# Altium PCB STM32F407VG.PcbDoc (part 2 of 2)
Units mil, origin at the board's own origin, x right, y up, seen from the top; angles counter-clockwise.
Board outline 2190 x 1496.06 mil, 4 copper layers (Top Layer, GND, PWR, Bottom Layer), stack 23.756 mil thick; 128 components, 112 nets, 488 pads, 364 vias.
Unrouted connection lines stored in the file: 106.
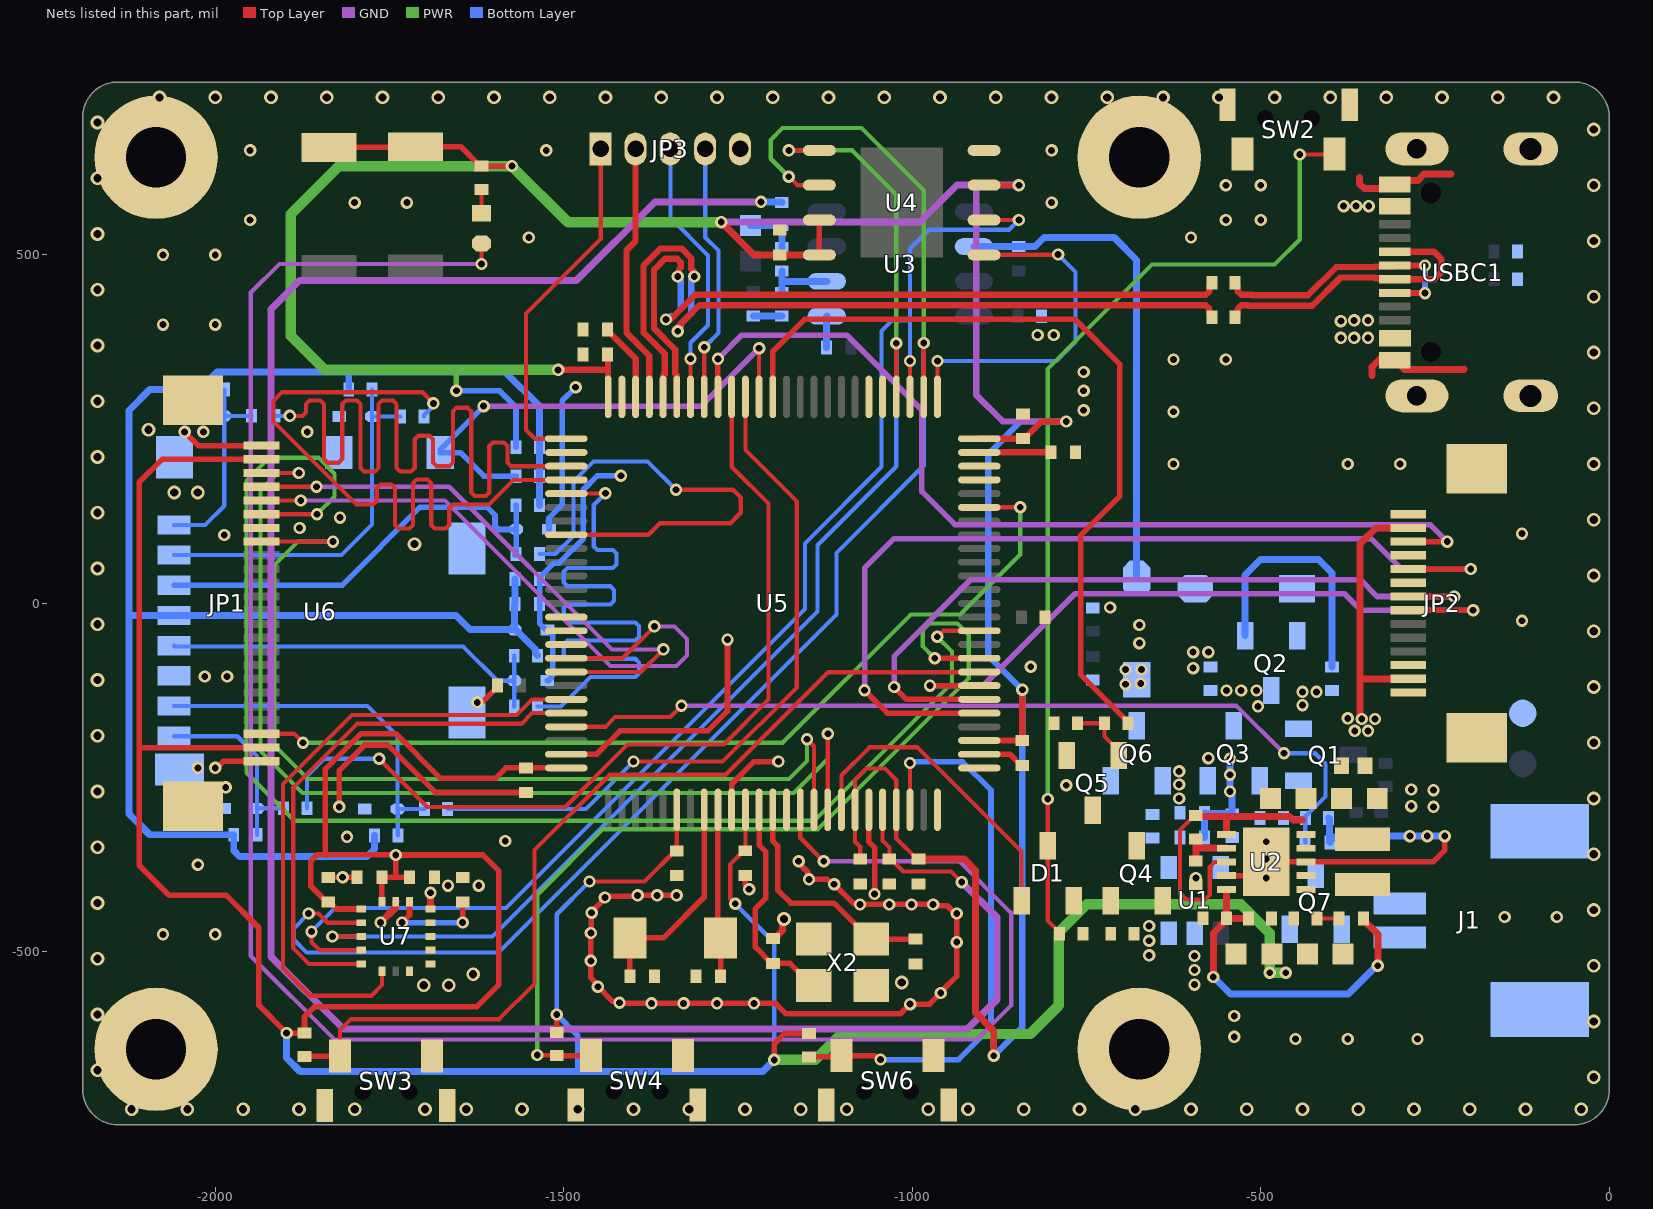
[diagram p4: the nets of this part, all layers, seen from the top]

## Via types
v1: diameter 17.72, hole 9.84, Top Layer to Bottom Layer, tented both sides, 266 vias
v2: diameter 19.68, hole 11.81, Top Layer to Bottom Layer, tented both sides, 98 vias

## Nets (pads, with @x,y where several pads share a name; then routed paths per layer and width w, separated by ;. In a path a pad name is that pad's centre, name@x,y a point inside that pad or via, vN(x,y) a via of type N, cw(c..) or ccw(c..) an arc to the next point about the centre after c; other vN are vias at no path point) (continued)
GND: C1.2 C2.2 C3.1 C4.1 C6.1 C7.1 C12.1 C13.1 C14.1 C15.1 C16.1 C17.1 C18.1 C19.1 C20.1 C21.1 C22.1 C23.1 C24.2 C25.2 C26.2 C27.2 C28.1 C29.1 C30.2 C31.2 C32.1 C33.1 C34.1 C35.1 J1.2 J1.3 J1.4 JP1.0 JP1.1 JP1.18 JP1.24 JP2.0 JP2.1 JP2.4 JP2.6 JP2.12 JP2.14 JP3.5 M1.1 M2.1 M3.1 M4.1 Q3.2 Q5.2 Q7.1 R1.1 R2.1 R3.1 R7.2 R11.2 R12.2 R19.1 R20.1 R21.2 R22.1 R27.1 R43.1 R44.1 R46.1 SW2.0@-372.4,715.43 SW2.0@-547.6,715.43 SW2.1 SW3.0@-1667.4,-720.43 SW3.0@-1842.6,-720.43 SW3.1 SW4.0@-1307.4,-719.68 SW4.0@-1482.6,-719.68 SW4.1 SW6.0@-947.82,-719.77 SW6.0@-1123.02,-719.77 SW6.1 TP2.1 U1.2 U2.3 U2.9 U2.11 U4.4 U5.10 U5.20 U5.27 U5.74 U5.99 U6.6 U6.9 U6.10 U6.11 U6.13 U6.14 U7.8 U7.9 U7.10 U7.11 U7.12 U7.13 U7.15 USBC1.0 USBC1.A1 USBC1.A12 USBC1.B1 USBC1.B12 VR1.2 VR2.1 VR3.1 VR4.1 VR5.1 VR6.1 VR7.1 VR8.1 X2.2 X2.4 | length 4197.5
  Top Layer w8: v1(-2044,246) -2024.38,226.38 JP1.24@-1933.69,226.38 JP1.24@-1934.4,227.09 ; v1(-2000,-236) -1997.37,-236 -1987.75,-226.38 JP1.1@-1933.69,-226.38 ; C31.2@-1838,-393 C29.1@-1796.43,-393 ; v1(-1822,-292) -1822,-239.65 -1785.55,-203.2 -1752.43,-203.2 -1684.2,-271.43 C20.1@-1554,-271.43 ; v1(-1624,-142) -1622.14,-140.14 -1615.34,-140.14 -1595.18,-119.98 R27.1@-1595.18,-118.01 ; U5.99@-1496.26,-216.54 -1452.75,-216.54 -1419.24,-183.03 -1293.47,-183.03 -1265,-154.56 v1(-1265,-52) ; v1(-1338,-419) v1(-1366,-419) v1(-1394,-419) -1395.5,-420.5 -1439.5,-420.5 v1(-1441,-422) -1441,-423.5 -1460,-442.5 v1(-1460,-444) -1460.5,-444.5 -1460.5,-472.5 v1(-1461,-473) v1(-1461,-513) -1461,-537.37 -1451,-547.37 v1(-1451,-550) -1429.86,-571.14 -1421.86,-571.14 v1(-1420,-573) -1419.5,-573.5 -1374.5,-573.5 v1(-1374,-574) v1(-1328,-574) v1(-1280,-574) v1(-1227,-574) -1196.19,-574 -1181.07,-589.12 -1017.12,-589.12 v1(-1003,-575) -975,-575 v1(-959,-559) -959,-557.78 -936,-534.78 v1(-936,-486) v1(-936,-445) ; U5.10@-1259.06,-296.26 -1258.7,-295.91 -1258.7,-258.83 -1226.87,-227 v1(-1192,-227) ; C17.1@-1239.76,-390.4 -1239.76,-404.43 v1(-1234,-410.18) ; v1(-1163,-370) -1163,-372.63 -1149.86,-385.77 -1149.86,-394.14 v1(-1148,-396) -1121.63,-396 -1114.63,-403 v1(-1112,-403) -1084.86,-430.14 -1076.86,-430.14 v1(-1075,-432) v1(-1033,-432) v1(-1001,-432) v1(-970,-432) ; U5.20@-1062.2,-296.26 -1062.2,-342.25 -1054,-350.45 v1(-1054,-417) ; v1@-967.37,-432 v1(-970,-432) ; v1@-937.86,-443.14 v1(-936,-445) ; U5.27@-903.74,-216.54 -859.87,-216.54 -843.97,-232.43 C21.1@-842,-232.43 ; U2.9@-549.09,-390.69 -511.69,-390.69 U2.11@-492,-371 U2.3@-434.91,-371 -252.49,-371 -236,-354.51 v1(-236,-334) ; v1(-970,-432) -968.14,-433.86 -949.77,-433.86 -938.63,-445 v1(-936,-445)
  Top Layer w10: v1(-1763,-458) -1741.05,-436.05 -1741.05,-428.19 U7.15@-1740.97,-428.11 ; U7.13@-1691.17,-438.54 v1(-1691.17,-415.17) ; C24.2@-1199.63,-481.19 -1197.66,-481.19 -1185.85,-469.38 -1185.85,-454.85 v2(-1184,-453) ; -358,611 -358,602 -351.08,595.08 USBC1.B1@-307.43,595.08 ; -340.01,327.2 -340.01,339.01 -324.1,354.92 USBC1.B12@-307.37,354.92 ; USBC1.B12@-307.69,349.64 -293.47,335.43 -208.57,335.43 -208,336 ; USBC1.A12@-307.43,606.89 -274.58,606.89 -265.47,616 -227,616
  Bottom Layer w8: VR6.1@-1523.76,-111 -1521.79,-111 -1517.91,-107.13 -1517.91,-105.16 -1516,-103.24 -1516,-45.38 -1517.54,-43.84 -1517.54,-41.87 -1521.41,-38 VR5.1@-1523.38,-38 -1525.35,-38 -1534.57,-28.78 C26.2@-1534.57,-1 C27.2@-1534.57,35 -1534.57,36.97 -1513.84,57.71 -1506.79,57.71 -1472,92.49 -1472,163 -1452,183 v1(-1418,183) ; VR4.1@-1521.16,106.33 -1521.16,122.69 -1502.08,141.76 -1502.08,290.92 v1(-1483,310)
  Bottom Layer w10: C1.2@-580.57,-336 -580.52,-335.94 -580.52,-300.57 C2.2@-580.46,-300.52 -579.46,-301.53 -542.01,-301.53 R7.2@-541,-302.54 -541,-275.09 -544,-272.09 v1(-544,-270) v1(-544,-246) v1(-544,-223) ; R43.1@-402.54,-308 -401.6,-308.94 C32.1@-401.6,-342.14 ; C32.1@-400.66,-343.17 -401.6,-342.23 C32.1@-401.6,-342.14 ; v1(-236,-334) -236.27,-333.73 -326.73,-333.73 R44.1@-327,-333.46 -327.98,-334.45 -362.01,-334.45 C33.1@-363,-335.43 -394.88,-335.43 C32.1@-401.6,-342.14
  other v1: -450,-625 -375,-625 -275,-625 -538,-622 -538,-592 -595,-547 -595,-526 -595,-506 -2075,-475 -2000,-475 -150,-450 -75,-450 -1666,-405 -1622,-405 -593,-394 -492,-394 -1817.21,-393 -2025,-375 -492,-367 -492,-342 -1584,-341 -1811,-335 -286,-334 -261,-334 -252,-292 -284,-291 -252,-268 -284,-267 -1985,-264 -779,-261 -2025,-236 -575,-222 -2015,-105 -1983,-105 -597,-93 -830,-91 -597,-70 -575,-70 -674,-57 -674,-31 -125,-25 -716,-6 -1987,98 -125,100 -1878.9,108.13 -1821,123 -625,200 -375,200 -300,200 -2017,246 -1868,246 -625,275 -754,277 -754,305 -754,332 -625,350 -550,350 -820,385 -797,385 -2075,400 -2000,400 -2075,500 -2000,500 -1550,525 -600,525 -1950,550 -550,550 -500,550 -1800,575 -1725,575 -800,575 -550,600 -500,600 -1950,650 -1525,650 -800,650
  other v2: -2120,-726 -2040,-726 -1960,-726 -1880,-726 -1800,-726 -1699,-726 -1640,-726 -1560,-726 -1480,-726 -1400,-726 -1320,-726 -1240,-726 -1160,-726 -1094,-726 -977,-726 -920,-726 -840,-726 -760,-726 -680,-726 -600,-726 -520,-726 -440,-726 -360,-726 -280,-726 -200,-726 -120,-726 -40,-726 -22,-680 -2169,-670 -22,-600 -2169,-590 -1701,-548 -1665,-548 -1015,-544 -1630,-532 -22,-520 -2169,-510 -22,-440 -2169,-430 -22,-360 -2169,-350 -22,-280 -2169,-270 -22,-200 -2169,-190 -22,-120 -2169,-110 -22,-40 -2169,-30 -22,40 -2169,50 -1714,85 -22,120 -2169,130 -2059,159 -2025,159 -22,200 -2169,210 -2095.87,249.06 -22,280 -2169,290 -22,360 -2169,370 -22,440 -2169,450 -22,520 -2169,530 -22,600 -2169,610 -22,680 -2169,690 -2080,726 -2000,726 -1920,726 -1840,726 -1760,726 -1680,726 -1600,726 -1520,726 -1440,726 -1360,726 -1280,726 -1200,726 -1120,726 -1040,726 -960,726 -880,726 -800,726 -720,726 -640,726 -560,726 -480,726 -400,726 -320,726 -240,726 -160,726 -80,726
I2C1_SCL: JP1.20 U5.92 | length 939
  Top Layer w6: JP1.20@-1933.69,147.64 v1(-1877.36,147.64) ; U5.92@-1496.26,-78.74 -1415.74,-78.74 v1(-1370,-33)
  GND w6: v1(-1877.36,147.64) -1670.64,147.64 -1433,-90 -1338,-90 -1323,-75 -1323,-51 -1341,-33 v1(-1370,-33)
I2C1_SDA: JP1.21 U5.93 | length 826
  Top Layer w6: JP1.21@-1933.69,167.32 v1(-1854.68,167.32) ; U5.93@-1496.26,-98.43 -1389.43,-98.43 v1(-1357,-66)
  GND w6: v1(-1854.68,167.32) -1664.32,167.32 -1431,-66 v1(-1357,-66)
I2C2_SCL: U5.47
I2C2_SDA: U5.48
I2S3_CK: U5.89
I2S3_ext_SD: U5.90
I2S3_SD: U5.91
I2S3_WS: U5.77
ICM_CS: U5.96 U7.5 | length 773.1
  Top Layer w6: U7.5@-1790.77,-517.28 -1865.72,-517.28 -1888,-495 -1888,-264.31 -1796.55,-172.86 -1560.86,-172.86 -1545.48,-157.48 U5.96@-1496.26,-157.48
ICM_INT: U5.95 U7.6 | length 906.5
  Top Layer w6: U7.6@-1760.65,-527.72 -1760.65,-547.65 -1776,-563 -1864,-563 -1903,-524 -1903,-259.43 -1803.63,-160.05 -1567.51,-160.05 -1545.25,-137.8 U5.95@-1496.26,-137.8
KEY_DOWN: R26.1 SW4.2 U5.34 | length 1305.4
  Top Layer w6: v1(-1538,-648) -1537.5,-648.5 -1510.5,-648.5 R26.1@-1510,-649
  Top Layer w8: R26.1@-1510,-649 -1461.13,-649 SW4.2@-1460.94,-648.82 ; v1(-967.7,-78.74) U5.34@-903.74,-78.74
  PWR w6: v1(-1538,-648) -1538,-418.26 -1443.74,-324 -1135.04,-324 -919,-107.96 -919,-45 -935,-29 -975,-29 -985,-39 -985,-61.44 v1(-967.7,-78.74)
KEY_OK: D1.1 U5.18 | length 457.3
  Top Layer w6: U5.18@-1101.57,-296.26 -1101.57,-246.57 -1061.54,-206.54 -992.46,-206.54 -843.02,-355.98 D1.1@-843.02,-426.59
KEY_PWR: D1.3 R9.1 SW2.2 | length 1428.2
  Top Layer w6: v1(-805.62,-280.62) D1.3@-805.62,-347.84 -805.62,-454.87 -788.46,-472.03 R9.1@-788.46,-474 ; v1(-444,644) -394.62,644 SW2.2@-394.06,644.57
  PWR w6: v1(-805.62,-280.62) -805.62,336.42 -656.05,486 -480,486 -444,522 v1(-444,644)
KEY_UP: R25.1 SW3.2 U5.33 | length 1331.1
  Top Layer w6: SW3.2@-1820.94,-649.57 -1821,-649.51 -1821,-612.4 -1805.2,-596.6 -1592.6,-596.6 -1542,-546 -1542,-354 -1433.89,-245.89 -1267.85,-245.89 -1120.86,-98.9 -904.21,-98.9 U5.33@-903.74,-98.43
  Top Layer w8: R25.1@-1872,-650 -1821.38,-650 SW3.2@-1820.94,-649.57
KEY_WKUP: R47.1 SW6.2 U5.23 | length 824.3
  Top Layer w6: U5.23@-1003.15,-296.26 v1(-1003.15,-229.15)
  Top Layer w8: R47.1@-1148.15,-650.64 -1103.1,-650.64 SW6.2@-1101.37,-648.91 -1053.72,-648.91 -1048.06,-654.57 v1(-1045.43,-654.57)
  Bottom Layer w8: v1(-1045.43,-654.57) -933.57,-654.57 -887,-608 -887,-268 -927.58,-227.42 -1001.42,-227.42 v1(-1003.15,-229.15)
LCD_BL: JP1.3 U5.45 | length 1332.7
  Top Layer w6: JP1.3@-1933.69,-187.01 -1886.99,-187.01 v1(-1874,-200) ; U5.45@-903.74,137.8 -903.64,137.9 -845.1,137.9 v1(-845,138)
  PWR w6: v1(-1874,-200) -1186,-200 -1002,-16 -931,-16 -845,70 v1(-845,138)
LCD_RES: JP1.17 U5.16 | length 1390.4
  Top Layer w6: JP1.17@-1933.69,88.58 v1(-1831.14,88.58) ; v1(-1151,-195) -1140.94,-205.06 U5.16@-1140.94,-296.26
  PWR w6: v1(-1831.14,88.58) -1881.42,88.58 -1915,55 -1915,-204 -1867,-252 -1177,-252 -1151,-226 v1(-1151,-195)
NetC8_2: C8.2 R13.2 R14.1 | length 76.6
  Bottom Layer w10: C8.2@-1232,542.18 -1231.82,542 R14.1@-1187,542 R13.2@-1187,510.46
NetC9_2: C9.2 U3.5 | length 45.2
  Bottom Layer w10: C9.2@-1123,367 -1123,411.51 U3.5@-1122.51,412
NetC10_1: C10.1 R16.1 R20.2 U2.10 | length 504.1
  Top Layer w10: v1(-568,-536) -568,-472.97 -549,-453.97 R20.2@-549,-452 ; U2.10@-549.09,-410.37 -549.04,-410.41 R20.2@-549,-452 R20.2@-549,-452 ; R16.1@-517.72,-452.13 -517.79,-452.07 -548.93,-452.07 R20.2@-549,-452 ; C10.1@-352.24,-452.19 -352.24,-454.16 -332,-474.4 v1(-332,-520)
  Bottom Layer w10: v1(-568,-536) -543.35,-560.65 -374.39,-560.65 -333.74,-520 v1(-332,-520)
NetC10_2: C10.2 R17.1 | length 31.5
  Top Layer w6: R17.1@-419.11,-452.07 -387.78,-452.07 C10.2@-387.67,-452.19
NetC11_2: C11.2 R18.1 | length 40.9
  Bottom Layer w10: C11.2@-1227.89,412.39 -1227.82,412.46 -1187.07,412.46 R18.1@-1187,412.54
NetC30_1: C30.1 U7.14 | length 150.9
  Top Layer w8: v1(-1732,-458) -1721.28,-447.28 U7.14@-1721.28,-428.11 ; v1(-1645,-458) C30.1@-1645,-428.43
  Bottom Layer w8: v1(-1732,-458) v1(-1645,-458)
NetD1_2: D1.2 Q4.1 Q5.3 R8.1
NetJ1_1: J1.1 Q7.3
NetL1_1: L1.1 U2.4
NetL1_2: L1.2 U2.2
NetLED1_1: LED1.1 R23.2 | length 34.3
  Top Layer w6: LED1.1@-1618,559.65 R23.2@-1618,594
NetQ2_1: Q2.1 Q3.3 R6.1 | length 364.1
  Bottom Layer w10: Q2.1@-522.4,-46.26 -522.4,40.6 -500,63 -416.89,63 -397.61,43.72 R6.1@-397.61,-91.47
NetQ5_1: Q5.1 R10.1 R12.1 | length 94.2
  Top Layer w6: R12.1@-763,-172 R10.1@-724,-172 -724,-190.84 -713.27,-201.57 -712.41,-201.57 -703.6,-210.39 Q5.1@-703.6,-218.26
NetR7_1: R7.1 U1.5
NetR13_1: R13.1 R18.2 U3.6 | length 95.7
  Bottom Layer w10: R18.2@-1187,446 -1187,461.5 ; R13.1@-1187,477 -1187,461.5 ; U3.6@-1122.51,462 -1186.5,462 -1187,461.5
NetR15_1: R15.1 R19.2 U2.7 | length 83.7
  Top Layer w10: R19.2@-593,-370 -593,-354 ; R15.1@-593,-338 -593,-349.89 ; R15.1@-588.31,-345.2 -593,-349.89 ; U2.7@-549.09,-351.32 -590.32,-351.32 -593,-354 ; -593,-354 -593,-349.89
NRST: U5.14
OSC32_IN: C13.2 U5.8 X1.2 | length 311
  Top Layer w8: C13.2@-1405,-535 X1.2@-1404.96,-480 X1.2@-1404.96,-480 -1357,-480 -1298.43,-421.43 U5.8@-1298.43,-296.26
OSC32_OUT: C14.2 U5.9 X1.1 | length 240.3
  Top Layer w8: U5.9@-1278.74,-296.26 -1278.74,-476.3 X1.1@-1275.04,-480 X1.1@-1275.04,-480 C14.2@-1275,-535
OSC_IN: C24.1 U5.12 X2.3 | length 313.7
  Top Layer w8: U5.12@-1219.69,-296.26 -1219.69,-346.93 -1210,-356.61 -1210,-423 -1225,-438 -1225,-493.22 -1201.6,-516.62 C24.1@-1199.64,-516.62 -1175.15,-516.62 -1143.31,-548.46 X2.3@-1141.34,-548.46
OSC_OUT: C25.1 U5.13 X2.1 | length 344.7
  Top Layer w8: U5.13@-1200,-296.26 -1200,-341 -1193,-348 -1193,-411 -1174,-430 -1112.17,-430 -1060.63,-481.54 X2.1@-1058.66,-481.54 -1058.52,-481.68 C25.1@-995.26,-481.68
PWR_EN: R10.2 U5.63 | length 1175.4
  Top Layer w8: U5.63@-1200,296.26 -1200,361.67 -1153.94,407.73 -766.73,407.73 -702,343 -702,154 -758,98 -758,-102.57 -690.54,-170.03 R10.2@-690.54,-172
SD_CK: R30.1 R37.2 U6.5 VR6.2 | length 582
  Bottom Layer w6: U6.5@-2059.14,-60.7 -2057.87,-61.98 -1644.28,-61.98 -1595.26,-111 VR6.2@-1571,-111 ; R37.2@-1571,-148 VR6.2@-1571,-111 ; R30.1@-1571,-75 VR6.2@-1571,-111
SD_CMD: R31.1 R36.2 U6.3 VR4.2 | length 631.6
  Bottom Layer w8: U6.3@-2059.14,25.91 -1818.09,25.91 -1706,138 -1609.99,138 -1598.58,126.59 -1598.58,111.98 -1592.6,106 -1568.73,106 VR4.2@-1568.4,106.33 R36.2@-1568.43,70.71 ; R36.2@-1570.14,69 R36.2@-1568.43,70.71 ; VR4.2@-1568.42,106.35 R31.1@-1568.44,140.72
SD_D0: R29.1 R39.2 U6.7 VR7.2 | length 519.6
  Bottom Layer w6: U6.7@-2059.14,-147.32 -1781.68,-147.32 -1738.38,-190.62 VR7.2@-1738.38,-295 ; R29.1@-1738,-333 -1738.19,-332.81 -1738.19,-295.19 VR7.2@-1738.38,-295 ; R39.2@-1700,-295 VR7.2@-1738.38,-295
SD_D1: R28.1 R40.2 U6.8 VR8.2 | length 281.9
  Bottom Layer w6: U6.8@-2059.14,-190.63 -1968.37,-190.63 -1940,-219 VR8.2@-1940,-294 ; R28.1@-1940,-332 VR8.2@-1940,-294 ; R40.2@-1902,-294 VR8.2@-1940,-294
SD_D2: R33.1 R34.2 U6.1 VR2.2 | length 289.5
  Bottom Layer w6: U6.1@-2059.14,112.52 -2014.48,112.52 -1987,140 VR2.2@-1987,269 ; R33.1@-1987,307 VR2.2@-1987,269 ; R34.2@-1948,269 VR2.2@-1987,269
SD_D3: R32.1 R35.2 U6.2 VR3.2 | length 537.3
  Bottom Layer w6: U6.2@-2059.14,69.22 -1818.78,69.22 -1775,113 VR3.2@-1775,268 ; R32.1@-1775,307 VR3.2@-1775,268 ; R35.2@-1734,268 VR3.2@-1775,268
SD_VDD: C26.1 C27.1 R28.2 R29.2 R30.2 R31.2 R32.2 R33.2 R38.1 R41.2 U6.4 VR5.2 | length 2482
  Bottom Layer w10: R32.2@-1808.46,307 -1808.46,331.46 -1809,332 ; R29.2@-1771.46,-333 -1771.46,-352.46 -1782,-363 -1965,-363 -1973.46,-354.54 R28.2@-1973.46,-332 -2094,-332 -2124,-302 -2124,-18 ; C27.1@-1570,35 C26.1@-1570,-1 -1570.31,-1.31 VR5.2@-1570.31,-37.69 ; R30.2@-1537.54,-75 -1540.41,-72.13 -1540.41,-66.24 -1568.65,-38 VR5.2@-1570.62,-38 VR5.2@-1570.31,-37.69 ; R31.2@-1534.98,140.72 R41.2@-1534.97,224.09 -1534.97,282.97 -1584,332 -1809,332 ; -2124,-18 -2124,277 -2094,307 R33.2@-2020.46,307 -2020.46,308.97 -1997.43,332 -1809,332 ; -2124,-18 -2123.4,-17.4 U6.4@-2059.14,-17.4 -1654.6,-17.4 -1634.31,-37.69 VR5.2@-1570.31,-37.69
SDIO_CK: R37.1 U5.80 | length 1021
  Top Layer w6: U5.80@-1496.26,157.48 -1440.48,157.48 -1440.48,157.78 v1(-1440.2,158.06)
  Bottom Layer w6: R37.1@-1537.54,-148 -1504,-148 -1503,-147 -1461.45,-105.45 -1397.35,-105.45 -1392.15,-100.25 -1392.15,-84.65 -1397.35,-79.45 -1494.81,-79.45 -1500.01,-74.25 -1500.01,-58.65 -1494.81,-53.45 -1397.35,-53.45 -1392.15,-48.25 -1392.15,-32.65 -1397.35,-27.45 -1494.81,-27.45 -1500.01,-22.25 -1500.01,-6.65 -1494.81,-1.45 -1433.06,-1.45 -1427.86,3.75 -1427.86,19.35 -1433.06,24.55 -1494.81,24.55 -1500.01,29.75 -1500.01,45.35 -1494.81,50.55 -1429.46,50.55 -1424.26,55.75 -1424.26,71.35 -1429.46,76.55 -1451.8,76.55 -1457,81.75 -1457,131.96 -1457,141.26 v1(-1440.2,158.06) v1@-1440,157.87
SDIO_CMD: R36.1 U5.83 | length 696.6
  Top Layer w6: U5.83@-1496.26,98.43 -1378.57,98.43 -1362,115 -1261,115 -1246,130 -1246,152 -1257,163 v1(-1339,163)
  Bottom Layer w6: R36.1@-1534.96,70.71 -1512.17,70.71 -1486.17,96.71 -1486.17,174.81 -1457.21,203.77 -1379.77,203.77 v1(-1339,163)
SDIO_D0: R39.1 U5.65 | length 1020.6
  Top Layer w6: v1(-1400,-227) -1272.07,-227 -1165.57,-120.51 -1165.57,146.34 -1239.37,220.14 U5.65@-1239.37,296.26
  Bottom Layer w6: R39.1@-1666.54,-295 -1468,-295 v1(-1400,-227)
SDIO_D1: R40.1 U5.66 | length 1267.8
  Top Layer w6: v1(-1764.81,-223) -1695.82,-291.99 -1497.85,-291.99 -1408.24,-202.38 -1270.34,-202.38 -1206,-138.04 -1206,143 -1259.06,196.06 U5.66@-1259.06,296.26
  Bottom Layer w6: R40.1@-1868.54,-294 -1868.54,-247.54 -1844,-223 v1(-1764.81,-223)
SDIO_D2: R34.1 U5.78 | length 1267.6
  Top Layer w6: v1(-1893,269) -1878,269 -1875,269 -1869.8,274.2 -1869.8,285.8 -1864.6,291 -1849,291 -1843.8,285.8 -1843.8,206.97 -1838.6,201.77 -1823,201.77 -1817.8,206.97 -1817.8,285.8 -1812.6,291 -1797,291 -1791.8,285.8 -1791.8,194.37 -1786.6,189.17 -1771,189.17 -1765.8,194.37 -1765.8,285.8 -1760.6,291 -1745,291 -1739.8,285.8 -1739.8,194.37 -1734.6,189.17 -1719,189.17 -1713.8,194.37 -1713.8,235.39 -1708.6,240.59 -1693,240.59 -1687.8,235.39 -1687.8,202.05 -1682.6,196.85 -1667.56,196.85 -1667,196.85 -1664,196.85 -1658.8,202.05 -1658.8,275.55 -1653.6,280.75 -1638,280.75 -1632.8,275.55 -1632.8,159.2 -1627.6,154 -1612,154 -1606.8,159.2 -1606.8,225.58 -1601.6,230.78 -1586,230.78 -1580.8,225.58 -1580.8,202.05 -1575.6,196.85 -1537,196.85 U5.78@-1496.26,196.85
  Bottom Layer w6: R34.1@-1914.54,269 v1(-1893,269)
SDIO_D3: R35.1 U5.79 | length 1015.9
  Top Layer w6: v1(-1687,287) -1703,303 -1904,303 -1916.51,290.49 -1916.51,261.06 -1797.45,142 -1789,142 -1773.4,142 -1768.2,147.2 -1768.2,165.2 -1763,170.4 -1747.4,170.4 -1742.2,165.2 -1742.2,112.44 -1737,107.24 -1721.4,107.24 -1716.2,112.44 -1716.2,172.3 -1711,177.5 -1695.4,177.5 -1690.2,172.3 -1690.2,112.44 -1685,107.24 -1669.4,107.24 -1664.2,112.44 -1664.2,136.8 -1659,142 -1656,142 -1607.03,142 -1571.86,177.17 U5.79@-1496.26,177.17
  Bottom Layer w6: R35.1@-1700.54,268 -1700.54,269.97 -1689.24,281.26 -1689.24,284.76 v1(-1687,287)
SDIO_SW: R38.2 U5.64 U6.12 | length 714.7
  Top Layer w6: U5.64@-1219.69,296.26 v1(-1219.69,366.06)
  GND w8: v1(-1615,283) -1302.74,283 v1(-1219.69,366.06)
  Bottom Layer w8: v1(-1615,283) -1615,282.45 -1677.25,220.2 U6.12@-1677.25,216.26 -1648.26,216.26 -1614.57,182.57 R38.2@-1568.53,182.57
SPI1_MISO: JP2.7 U5.31 | length 1098.8
  Top Layer w8: v1(-1026,-120) -1008.2,-137.8 U5.31@-903.74,-137.8 ; JP2.7@-288.31,9.84 v1(-222.35,9.84)
  GND w8: v1(-1026,-120) -1026,-76 -916,34 -357,34 -332.84,9.84 v1(-222.35,9.84)
SPI1_MOSI: JP2.8 U5.32 | length 1007.8
  Top Layer w8: v1(-974.55,-118.11) U5.32@-903.74,-118.11 ; JP2.8@-288.31,-9.84 v1(-195.16,-9.84)
  GND w8: v1(-974.55,-118.11) -898.11,-118.11 -766.15,13.85 -379.85,13.85 -356.16,-9.84 v1(-195.16,-9.84)
SPI1_NSS: JP2.3 U5.67 | length 1361.9
  Top Layer w8: U5.67@-1278.74,296.26 v1(-1278.74,350.74) ; JP2.3@-288.31,88.58 v1(-232.42,88.58)
  GND w8: v1(-1278.74,350.74) -1244.57,384.91 -1093.91,384.91 -986.09,277.09 -986.09,160.48 -938.61,113 -256.83,113 v1(-232.42,88.58)
SPI1_SCK: JP2.5 U5.30 | length 1348.6
  Top Layer w8: v1(-1068.36,-124.64) -1035.52,-157.48 U5.30@-903.74,-157.48 ; JP2.5@-288.31,49.21 v1(-198.61,49.21)
  GND w8: v1(-1068.36,-124.64) -1068.36,50.64 -1026,93 -342,93 -298.21,49.21 v1(-198.61,49.21)
SPI2_MISO: U4.2 U5.53 U7.4 | length 1918.3
  Top Layer w6: v1(-1862,-471) -1862,-486.23 -1850.64,-497.6 U7.4@-1790.77,-497.6 ; U5.53@-1003.15,296.26 v1(-1003.15,347.85) ; U4.2@-896.89,550 v1(-847,550)
  Bottom Layer w6: v1(-1862,-471) -1828,-437 -1583,-437 -1153.97,-7.97 -1153.97,86.03 -1044,196 -1044,391 -1028.92,406.08 -1003.15,406.08 ; v1(-1003.15,347.85) -1003.15,406.08 ; v1(-847,550) -861,536 -976,536 -1003.15,508.85 -1003.15,406.08
SPI2_MOSI: U4.5 U5.54 U7.3 | length 1876.6
  Top Layer w6: v1(-1831.91,-477.91) U7.3@-1790.77,-477.91 ; v1(-1177,650) U4.5@-1133.11,650 ; U5.54@-1022.83,296.26 v1(-1022.83,373.17)
  PWR w6: v1(-1177,650) -1086,650 -1022.83,586.83 v1(-1022.83,373.17)
  Bottom Layer w6: v1(-1831.91,-477.91) -1602.44,-477.91 -1136.04,-11.52 -1136.04,83.39 -1022.83,196.6 v1(-1022.83,373.17)
SPI2_NSS: U4.1 U5.51 | length 503.2
  Top Layer w6: U5.51@-963.78,296.26 v1(-963.78,347.78) ; U4.1@-896.89,500 -896.61,500.28 -790.97,500.28 v1(-790.69,500.55)
  Bottom Layer w6: v1(-963.78,347.78) -793.14,347.78 -765.57,375.35 -765.57,475.43 v1(-790.69,500.55)
SPI2_SCK: U4.6 U5.52 U7.2 | length 2228.6
  Top Layer w6: v1(-1866,-445) -1851.88,-445 -1838.65,-458.23 U7.2@-1790.77,-458.23 ; v1@-1176.99,612.17 -1164.82,600 U4.6@-1133.11,600 ; U5.52@-983.46,296.26 v1(-983.46,373.54)
  PWR w6: v1(-1177.17,612.17) -1203,638 -1203,665 -1186,682 -1073,682 -983.46,592.46 v1(-983.46,373.54)
  Bottom Layer w6: v1(-1866,-445) -1888,-467 -1888,-482 -1869,-501 -1593.65,-501 -1108.86,-16.21 -1108.86,72.21 -983.46,197.6 v1(-983.46,373.54)
ST_SWCLK: JP3.1 U5.76 | length 510.4
  Top Layer w6: U5.76@-1496.26,236.22 -1541.22,236.22 -1554,249 -1554,416 -1447,523 JP3.1@-1447,652
ST_SWDIO: JP3.2 U5.72 | length 374.7
  Top Layer w9.01: JP3.2@-1397,652 -1397,519.52 -1410,506.52 -1410,388 -1377.17,355.17 U5.72@-1377.17,296.26
ST_USB_N: R4.2 U5.70 | length 1150.9
  Top Layer w9.01: v1(-1353.19,407.19) -1352.77,407.61 -1346.61,407.61 -1311.54,442.69 -578.65,442.69 -573.37,447.97 -573.37,456.63 R4.2@-570,460 ; U5.70@-1337.8,296.26 -1337.95,296.42 -1337.95,326.97 -1340.13,329.15 -1340.13,364.18 -1370.39,394.43 -1370.39,478.61 -1354.72,494.28 -1337.28,494.28 -1332,489 -1332,481.54 -1334.69,478.85 -1334.69,470.67 v1(-1336.35,469)
  Bottom Layer w9.01: v1(-1353.19,407.19) -1350.84,407.19 -1346.24,411.79 -1342.44,411.79 -1332,422.23 -1332,463 -1336.35,467.35 v1(-1336.35,469)
ST_USB_P: R5.2 U5.71 | length 1200.6
  Top Layer w9.01: U5.71@-1357.48,296.26 -1357.32,296.42 -1357.32,326.97 -1355.14,329.15 -1355.14,357.96 -1385.4,388.21 -1385.4,484.83 -1360.94,509.29 -1331.06,509.29 -1316.99,495.22 -1316.99,479.85 -1314.3,477.16 -1314.3,470.67 v1(-1312.64,469) ; v1(-1336.42,390.42) -1336,390.84 -1336,397 -1305.32,427.68 -578.63,427.68 -573.36,422.4 -573.36,413.74 R5.2@-569.99,410.37
  Bottom Layer w9.01: v1(-1336.42,390.42) -1336.42,392.78 -1331.83,397.37 -1331.83,401.17 -1316.99,416.01 -1316.99,463 -1312.64,467.35 v1(-1312.64,469)
Touch_INT: JP1.19 U5.36 | length 1977.5
  Top Layer w6: JP1.19@-1933.69,127.95 v1(-1854.05,127.95) ; v1(-964,-48) -955.37,-39.37 U5.36@-903.74,-39.37
  PWR w6: v1(-1854.05,127.95) -1829,153 -1829,186 -1852,209 -1922,209 -1955,176 -1955,-243 -1886,-312 -1140.8,-312 -943,-114.2 -943,-69 v1(-964,-48)
Touch_RST: JP1.22 U5.17 | length 1497.6
  Top Layer w6: JP1.22@-1933.69,187.01 v1(-1879.99,187.01) ; U5.17@-1121.26,-296.26 -1121.13,-296.13 -1121.13,-187.13 v1(-1121.01,-187.01)
  PWR w6: v1(-1879.99,187.01) -1909.99,187.01 -1935,162 -1935,-212 -1875,-272 -1170,-272 -1121.01,-223.01 v1(-1121.01,-187.01)
USART1_RX: JP3.3 U5.69 | length 388.5
  Top Layer w6: U5.69@-1318.11,296.26 v1(-1318.11,350.89)
  Bottom Layer w6: JP3.3@-1347,652 -1347,553.31 -1293,499.31 -1293,399 -1318.11,373.89 v1(-1318.11,350.89)
USART1_TX: JP3.4 U5.68 | length 372.1
  Top Layer w6: U5.68@-1298.43,296.26 v1(-1298.43,367.43)
  Bottom Layer w6: v1(-1298.43,367.43) -1278,387.85 -1278,506.17 -1297,525.17 JP3.4@-1297,652
USART2_RX: U5.26
USART2_TX: U5.25
USART3_RX: U5.56
USART3_TX: U5.55
USB_D_N: R4.1 USBC1.A7 USBC1.B7 | length 385.7
  Top Layer w9.01: R4.1@-536.54,460 -533.17,456.63 -533.17,447.97 -527.89,442.69 -511.88,442.69 -511.19,442 -432.23,442 -391.68,482.55 -336.27,482.55 -335.38,483.44 -308.78,483.44 USBC1.A7@-307.37,484.84 v1(-264.16,484.84) ; USBC1.B7@-307.36,445.47 -307.2,445.31 -264.31,445.31 v1(-264.16,445.16)
  Bottom Layer w9.01: v1(-264.16,445.16) v1(-264.16,484.84)
USB_D_P: R5.1 USBC1.A6 USBC1.B6 | length 420.2
  Top Layer w9.01: R5.1@-536.52,410.37 -533.15,413.74 -533.15,422.4 -527.88,427.68 -518.1,427.68 -517.41,426.99 -426.01,426.99 -385.46,467.54 -336.3,467.54 -335.32,466.56 -308.83,466.56 USBC1.A6@-307.43,465.16 -250.84,465.16 -240.52,475.48 -240.52,493.72 -251.33,504.53 USBC1.B6@-307.43,504.53
USB_IN: Q1.1 Q2.3 Q3.1 R1.2 R24.2 USBC1.A4 USBC1.A9 USBC1.B4 USBC1.B9
  other v1: -503.9,-147.85 -549,-125 -528,-125 -506,-125 -385,381 -366,381 -346,381 -385,405 -366,406 -346,406 -381,570 -363,570 -345,570
USB_Inter: C32.2 R24.1 R43.2 U5.97 | length 1292.9
  Top Layer w6: U5.97@-1496.26,-177.17 -1440.27,-177.17 -1426.23,-163.12 -1347.12,-163.12 v1(-1331,-147)
  GND w6: v1(-1331,-147) -534.64,-147 v1(-466.52,-215.12)
  Bottom Layer w6: R24.1@-467.54,-308 R43.2@-436,-308 ; v1(-466.52,-215.12) -421.88,-215.12 -407,-230 -407,-277.03 -436,-306.03 R43.2@-436,-308 ; C32.2@-436.09,-343.17 -436.04,-343.13 R43.2@-436,-308 R43.2@-436,-308
USER_LED: LED1.2 U5.15 | length 3010.7
  Top Layer w6: v1(-1618,487) LED1.2@-1618,516.35 ; U5.15@-1160.63,-296.26 -1160.63,-336.37 v1(-1127,-370)
  GND w6: v1(-1618,487) -1908,487 -1949,446 -1949,-506 -1829,-626 -907,-626 -858,-577 -858,-444 -932,-370 v1(-1127,-370)
VBAT: Q4.2 Q7.2 R8.2 R9.2 U1.3
  other v1: -660,-505 -660,-484 -660,-463
VBAT_OUT: D2.1 Q4.3 Q6.3 R45.2
  other v1: -694,-116 -672,-115 -694,-95 -671,-95
VBUS: C1.1 C2.1 D3.1 Q1.2 Q2.2 Q6.1 R6.2 R11.1 U1.4
  other v1: -617,-280 -617,-260 -617,-241 -440,-146 -440,-127 -420,-127
VCAP_1: C34.2 U5.49 | length 102.9
  Top Layer w9.01: U5.49@-903.74,216.54 -903.58,216.69 -801.31,216.69 C34.2@-801,217
VCAP_2: C35.2 U5.73 | length 113.4
  Top Layer w9.01: C35.2@-1437,393 -1437,391.03 -1396.85,350.88 U5.73@-1396.85,296.26
VCC_3V3: C6.2 C7.2 C12.2 C16.2 C17.2 C18.2 C19.2 C20.2 C21.2 C22.2 C23.2 C28.2 C29.2 C31.1 JP1.2 JP1.23 R16.2 R17.2 R23.1 R25.2 R26.2 R41.1 R47.2 SW1.2 SW5.2 U2.1 U4.3 U4.7 U4.8 U5.6 U5.11 U5.19 U5.22 U5.28 U5.50 U5.75 U5.100 U7.1 U7.16 | length 10576.2
  Top Layer w6: v1(-1463,-399) -1383.97,-399 -1339.97,-355 C16.2@-1338,-355 -1337.8,-354.8 U5.6@-1337.8,-296.26 ; v1(-1254,-431) -1261,-424 -1261,-374.25 -1241.72,-354.97 C17.2@-1239.75,-354.97 -1239.37,-354.59 U5.11@-1239.37,-296.26 ; C22.2@-1074.62,-366.91 -1074.62,-349.38 -1081.89,-342.11 U5.19@-1081.89,-296.26 -1081.89,-252.89 -1066,-237 -1039,-237 -1022.83,-253.17 U5.22@-1022.83,-296.26 -1022.83,-337.13 -992.97,-367 C23.2@-991,-367
  Top Layer w8: JP1.2@-1933.99,-206.99 -2106.99,-206.99 -2109,-209 ; JP1.23@-1933.69,206.69 -2076.31,206.69 -2109,174 -2109,-209 ; -1840,-361 -1842.33,-358.67 -1842.33,-238.33 -1791,-187 -1740.64,-187 -1676.64,-251 -1598,-251 -1583,-236 C20.2@-1554,-236 -1553.89,-236.11 -1496.37,-236.11 U5.100@-1496.26,-236.22 ; SW1.2@-1837,654.2 -1713.8,654.2 SW5.2@-1712.85,655.15 -1647.65,655.15 -1619.97,627.46 R23.1@-1618,627.46 v1(-1574.36,627.46) ; U7.1@-1790.77,-438.54 -1825.92,-438.54 -1836.03,-428.43 C31.1@-1838,-428.43 -1839.97,-428.43 -1863,-405.4 -1863,-369.67 -1853.95,-360.62 v1@-1741.38,-360.62 ; U7.16@-1760.65,-428.11 -1760.83,-427.94 -1760.83,-393.17 C29.2@-1761,-393 -1741,-393 ; C28.2@-1721,-393 -1741,-393 ; R26.2@-1510,-615.54 v1(-1510,-590) ; v1(-1198,-655) -1198,-632 -1183.18,-617.18 R47.2@-1148.15,-617.18 ; U4.8@-1133.11,500 U4.7@-1133.11,550 ; U4.3@-896.89,600 v1(-847,600) ; -2109,-209 -2109,-376 -2066,-419 -1984,-419 -1937.54,-465.46 -1937.54,-576.54 v1(-1897.54,-616.54) R25.2@-1872,-616.54 -1872,-593 -1858,-579 -1625,-579 -1593,-547 -1593,-384 -1616,-361 v1(-1741,-361) -1741,-393
  Top Layer w9.01: v1(-1508,335) -1436.38,335 ; C18.2@-1437,357 -1436.38,356.38 -1436.38,335 ; U5.75@-1436.22,296.26 -1436.38,296.42 -1436.38,335 ; U5.28@-903.74,-196.85 U5.28@-903.74,-196.85 -842.07,-196.93 C21.2@-842,-197 v1(-842,-124) ; U5.50@-903.74,236.22 -903.68,236.28 -841.01,236.28 C19.2@-840.95,236.35 -838.98,236.35 -814.33,261 v1(-779,261)
  Top Layer w10: v1(-1274,547) -1227,500 C12.2@-1190,500 U4.8@-1133.11,500 ; C23.2@-991,-367 -925.24,-367 -909.14,-383.1 -909.14,-587.14 -883,-613.28 v1(-883,-649)
  GND w9.01: -908,600 -908,299 -870,261 v1(-779,261)
  GND w10: v1(-1274,547) -989,547 -936,600 -908,600 v1(-847,600)
  PWR w8: -1656,335 -1654,333 v1(-1654,305)
  PWR w10: v1(-883,-649) -883,-619.9 -881,-617.9
  PWR w15: v1(-1508,335) -1656,335 -1843,335 -1892,384 -1892,558 -1822.54,627.46 v1(-1574.36,627.46) -1493.9,547 v1(-1274,547) ; v1(-1198,-655) -1139,-655 -1101.9,-617.9 -881,-617.9 -830.9,-617.9 -790,-577 -790,-472 -749.47,-431.47 -528.53,-431.47 -487,-473 v1(-487,-530) v1(-464,-530)
  Bottom Layer w6: v1(-1510,-590) -1510,-446 v1(-1463,-399) ; v1(-1254,-431) -1198,-487 v1(-1198,-655)
  Bottom Layer w8: v1(-1654,305) -1592,305 -1568.44,281.44 R41.1@-1568.44,224.09 ; v1(-1510,-590) -1480,-620 -1480,-672
  Bottom Layer w9.01: v1(-883,-649) -842,-608 v1(-842,-124) -891,-75 -891,214 -844,261 v1(-779,261)
  Bottom Layer w10: v1(-1897.54,-616.54) -1897.54,-652.46 -1878,-672 -1480,-672 -1215,-672 v1(-1198,-655)
VCC_IN: C3.2 C4.2 C5.2 D2.2 D3.2 JP2.2 JP2.13 Q6.2 R15.2 U2.5 U2.6 U2.8 U3.2 VR1.1 | length 1536.7
  Top Layer w6: R15.2@-593,-304.54 -594.97,-304.54 -615.79,-325.36 -615.79,-416 -606.8,-425 -580,-425 -573,-418 -573,-378 -566,-371 U2.8@-549.09,-371
  Top Layer w10: R15.2@-593,-304.54 -591.54,-306 -549,-306 ; U2.6@-557.79,-331.63 U2.6@-549.09,-331.63 -549.09,-306.09 -549,-306 ; -440,-311 -453.77,-311 -458.77,-306 -549,-306 ; -356.88,-108.62 JP2.13@-288.66,-108.62 ; v1(-355,-166) -356.48,-164.52 -356.48,-159.07 -357.18,-158.36 -357.18,-114.13 -357.18,-108.62 -357.18,85.82 -334.73,108.27 JP2.2@-288.31,108.27
  Bottom Layer w10: U3.2@-911.49,512 C5.2@-847,512 -824,512 -811,525 -710.14,525 -677.91,492.77 D2.2@-677.91,35.84
  other v1: -365,-183 -346,-183 -336,-166 -375,-165
VREF+: C15.2 R14.2 U5.21 | length 3210.2
  Top Layer w6: U5.21@-1042.52,-296.26 -1042.52,-340.48 -1032.79,-350.21 C15.2@-1032.79,-366.91 -1030.82,-366.91 -1012.92,-384.82 -944.18,-384.82 v1(-929,-400)
  GND w10: v1(-1217,576) -1369,576 -1482,463 -1879,463 -1920,422 -1920,-507 -1816,-611 -921,-611 -878,-568 -878,-451 v1(-929,-400)
  Bottom Layer w10: v1(-1217,576) -1216.73,575.73 -1187.27,575.73 R14.2@-1187,575.46
pads on no net: JP1.16 SW2.0@-426.54,695.75 SW2.0@-493.46,695.75 SW3.0@-1721.54,-700.75 SW3.0@-1788.46,-700.75 SW4.0@-1361.54,-700 SW4.0@-1428.46,-700 SW6.0@-1001.96,-700.09 SW6.0@-1068.89,-700.09 U1.1 U3.1 U3.3 U3.7 U3.8 U4.0 U5.1 U5.5 U5.7 U5.42 U5.43 U5.44 U5.46 U5.57 U5.59 U5.60 U5.84 U5.87 U7.7 USBC1. USBC1.A8 USBC1.B8

## Polygon pours and split planes (outlines as drawn)
GND on Top Layer "GND_L01_P000" (solid, remove dead copper, pour order 0): -2195,755 -2195,-755 5,-755 5,755
GND on GND "GND_L02_P001" (solid, remove dead copper, pour order 1): -2195,755 -2195,-755 5,-755 5,755
GND on PWR "GND_L03_P002" (solid, remove dead copper, pour order 2): -2195,755 -2195,-755 5,-755 5,755
GND on Bottom Layer "GND_L04_P003" (solid, remove dead copper, pour order 3): -2195,755 -2195,-755 5,-755 5,755

## Keep-outs
Keep-Out Layer:
  lines w5: -2190,-698.03 ccw(c-2140,-698.03) -2140,-748.03 -50,-748.03 ccw(c-50,-698.03) 0,-698.03 0,698.03 ccw(c-50,698.03) -50,748.03 -260,748.03 -2140,748.03 ccw(c-2140,698.03) -2190,698.03 -2190,-698.03

## Other copper
Top Layer:
  region net VCC_IN: -420.89,-200.11 -417.73,-203.27 -372,-203.27 -372,-203 -340,-203 -333,-196 -333,-158 -339,-152 -378,-152 -421,-195 -420.89,-195.26
  region net VCC_3V3: -501,-538.04 -501,-441.75 -496.74,-437.49 -461.49,-437.49 -450.67,-426.67 -450.67,-406.15 -448.79,-404.26 -421.18,-404.26 -419.67,-405.77 -419.67,-425.39 -442.37,-448.09 -442.37,-476.84 -435.76,-483.45 -419.36,-483.45 -415.31,-487.5 -415.31,-540.58 -418.19,-543.47 -495.57,-543.47
  region net VBAT_OUT: -709,-128 -702,-135 -687,-135 -672,-150 -672,-256 -701,-285 -701,-364 -693,-372 -657,-372 -645,-360 -645,-96 -658,-83 -703,-83 -709,-89
  region net VBAT: -683.94,-507.06 -676,-515 -647,-515 -644,-512 -644,-438.25 -643.22,-437.47 -677.3,-437.47 -683.94,-444.11
  region net VBAT: -766,-500 -755,-511 -680,-511 -669,-500 -669,-474 -660,-465 -636,-465 -627,-456 -627,-406 -631,-402 -652,-402 -655,-405 -655,-446 -664,-455 -684,-455 -691,-462 -691,-487 -698,-494 -740,-494 -745,-489 -745,-465.25 -747.51,-462.74 -763.74,-462.74 -766,-465
  region net NetD1_2: -783,-446 -779,-450 -734,-450 -725,-459 -725,-484 -722,-487 -706,-487 -701,-482 -701,-408 -724,-385 -724,-279 -729,-274 -754,-274 -764,-284 -764,-391 -783,-410
  region net NetL1_2: -450.55,-395.14 -450.55,-385.77 -448.73,-383.94 -314.33,-383.94 -311.95,-386.32 -311.95,-419.49 -314.46,-421.99 -394.57,-421.99 -398.7,-417.87 -398.7,-400.86 -402.63,-396.93 -448.77,-396.93
  region net NetL1_1: -450,-356 -450,-346.48 -448.89,-345.37 -402.54,-345.37 -398.6,-341.42 -398.6,-322.45 -395.52,-319.36 -314.84,-319.36 -311.76,-322.45 -311.76,-354.87 -314.89,-358 -448,-358
  region net VCC_IN: -453.66,-296.34 -451.7,-298.3 -451.7,-334.89 -448.87,-337.73 -421.73,-337.73 -419,-335 -419,-293.83 -421.51,-291.32 -452.57,-291.32 -453.66,-292.41
  region net VCC_IN: -454,-296 -451,-299 -370,-299 -365,-294 -365,-256 -372,-249 -372,-203 -380,-195 -421,-195 -454,-228
  region net VBUS: -629,-286 -624,-291 -605,-291 -599,-285 -599,-215 -579,-195 -445,-195 -408,-158 -408,-118 -414,-112 -446,-112 -453,-119 -453,-159 -463,-169 -605,-169 -629,-193
  region net USB_IN: -560,-131 -533,-158 -495,-158 -483,-146 -483,224 -336.47,370.53 -336.47,412.36 -340.54,416.43 -389.57,416.43 -560,246
  region net USB_IN: -396.04,374.17 -396.04,387.36 -389.41,394 -284,394 -281,391 -281,370 -283.6,367.4 -389.27,367.4
  region net USB_IN: -392,561 -387.79,556.79 -282.78,556.79 -281,558.57 -281,580 -283.54,582.54 -386.46,582.54 -392,577
Bottom Layer:
  region net USB_IN: -516.19,-274.19 cw(c-516,-274) -516.26,-274 -515.51,-135.13 cw(c-514.8,-139.74) -512,-136 -500,-136 -499.36,-136.26 -487.81,-147.81 cw(c-487.97,-147.99) -487.74,-148 -487.74,-230.89 -479.89,-238.74 -426,-238.74 cw(c-425.99,-238.98) -425.81,-238.81 -421.81,-242.81 cw(c-421.97,-242.99) -421.74,-243 -421.74,-268 cw(c-421.98,-268.01) -421.81,-268.19 -426.81,-273.19 cw(c-426.99,-273.01) -427,-273.26 -485.89,-273.26 -489.81,-277.19 cw(c-489.99,-277.01) -490,-277.26 -513,-277.26 cw(c-513,-277) -513.19,-277.19
  region net VCC_IN: -632.98,3.47 -625.26,-4.25 -558.25,-4.25 -554,0 -554,67.71 -539.94,81.78 -394.91,81.78 -363,49.86 -363,-131.68 -389.46,-158.14 -389.46,-179.5 -376.05,-192.91 -333.91,-192.91 -323,-182 -323,-147 -330,-140 -330,64.88 -374.12,109 -596.22,109 -632.98,72.24
  region net VBAT: -674.98,-510.45 -674.98,-456.33 -670.95,-452.3 -620.17,-452.3 -615.61,-456.85 -615.61,-509.56 -620.73,-514.68 -670.76,-514.68
  region net VBUS: -467,-192 -464,-195 -426,-195 -422,-191 -422,-146 -413,-137 -387,-137 -383,-133 -383,-117 -387,-113 -422,-113 -433,-102 -433,-18 -420,-5 -420,40 -423,43 -474,43 -479,38 -479,-57 -455,-81 -455,-152 -467,-164
  region net NetQ2_1: -637,-186 -623,-200 -526,-200 -523,-197 -523,-156 -527,-152 -553,-152 -556,-155 -556,-166 -563,-173 -610,-173 -619,-164 -619,-58 -610,-49 -561,-49 -541,-69 -508,-69 -505,-66 -505,-25 -509,-21 -621,-21 -637,-37
  region net VCC_IN: -768,-166 -768,1 -756,13 -706,13 -688,-5 -559,-5 -554,0 -554,54 -565,65 -757,65 -798,24 -798,-209 -730,-277 -703,-277 -700,-274 -700,-234
  region net VBAT_OUT: -756,-124 -749,-131 -713,-131 -694,-150 -694,-195 -691,-198 -661,-198 -653,-190 -653,-85 -656,-82 -697,-82 -712,-97 -753,-97 -756,-100
  region net NetR7_1: -572,-397 -572,-361 -569,-358 -562,-358 -555,-351 -555,-331 -550,-326 -531.98,-326 -530,-327.98 -530,-394 -535,-399 -570,-399
  region net VBUS: -669,-345 -669,-328 -667,-326 -632,-326 -626,-320 -626,-285 -632,-279 -650,-279 -654,-275 -654,-233 -650,-229 -613,-229 -606,-236 -606,-382 -621,-397 -646,-397 -649,-394 -649,-365
  region net VBAT: -646,-494 -621,-494 -618,-491 -618,-454 -611,-447 -489,-447 -476,-460 -476,-485 -469,-492 -445,-492 -442,-489 -442,-436 -452,-426 -639,-426 -649,-436 -649,-491
  region net DC_IN: -391,-230 -387,-234 -340,-234 -334,-240 -166,-240 -151,-255 -105,-255 -93,-243 -93,-215 -103,-205 -106,-202 -387,-202 -391,-206
  region net NetJ1_1: -436,-411 -426,-421 -356,-421 -348,-429 -348,-444 -341,-451 -260,-451 -255,-446 -255,-419 -309.98,-364.02 -431.02,-364.02 -436,-369
  region net USB_IN: -516.19,-317.81 -514,-320 -491,-320 -489.26,-318.26 -489.26,-274.11 -494.23,-269.14 -512.36,-269.14 -516.19,-272.97
  region net USB_IN: -586,-133 -586,-117 -584,-115 -540,-115 -529,-104 -472,-104 -468,-108 -468,-146 -470,-148 -500,-148 -512,-136 -583,-136
  region net USB_IN: -395,376 -385,366 -338,366 -332,372 -332,576 -341,585 -386,585 -395,576

## Silkscreen, mask and mechanical layers (free items; w line width, h text height)
Top Overlay:
  text "PWR" at -519.23,572 h40
  text "FLASH" at -1111.43,435.77 h40
  text "BT1" at -1868.71,381.79 h40
  text "BT0" at -1743.58,381.97 h40
  text "CPU" at -949.04,275 h60
  text "JLCJLCJLCJLC" at -2010,-117.85 h40 r90
  text "ADS131A04" at -274.43,-274.23 h40
  text "2.0inchLCD" at -2145.83,-380.21 h40
  text "UP" at -1789.37,-617.21 h40
  text "DOWN" at -1450.7,-618.21 h40
  text "WKUP" at -1088.7,-620.21 h40
  text "STM32F407VE" at -455.65,-644.86 h60
Top Solder:
  region: -2152.43,-660.03 -2152.43,659.97 ccw(c-2154.94,659.97) -2154.94,662.48 -2187.43,662.48 -2187.43,698 ccw(c-2189.94,698) -2192.46,698 -2192.46,-698.07 ccw(c-2139.94,-698.07) -2139.94,-750.58 -49.94,-750.58 ccw(c-49.94,-698.07) 2.57,-698.07 2.57,698 ccw(c0.06,698) -2.46,698 -2.46,-657.52 -39.94,-657.52 ccw(c-39.94,-660.03) -42.46,-660.03 cw(c-89.94,-660.03) -89.94,-707.52 -2104.94,-707.52 cw(c-2104.94,-660.03)
  region: -2192.46,-698.07 ccw(c-2189.94,-698.07) -2187.43,-698.07 -2187.43,657.45 -2154.94,657.45 ccw(c-2154.94,659.97) -2152.43,659.97 cw(c-2104.94,659.97) -2104.94,707.45 -89.94,707.45 cw(c-89.94,659.97) -42.46,659.97 -42.46,-660.03 ccw(c-39.94,-660.03) -39.94,-662.55 -2.46,-662.55 -2.46,-698.07 ccw(c0.06,-698.07) 2.57,-698.07 2.57,698 ccw(c-49.94,698) -49.94,750.51 -2139.94,750.51 ccw(c-2139.94,698) -2192.46,698
Bottom Solder:
  region: -2192.46,-698.07 ccw(c-2189.94,-698.07) -2187.43,-698.07 -2187.43,657.45 -2154.94,657.45 ccw(c-2154.94,659.97) -2152.43,659.97 cw(c-2104.94,659.97) -2104.94,707.45 -89.94,707.45 cw(c-89.94,659.97) -42.46,659.97 -42.46,-660.03 ccw(c-39.94,-660.03) -39.94,-662.55 -2.46,-662.55 -2.46,-698.07 ccw(c0.06,-698.07) 2.57,-698.07 2.57,698 ccw(c-49.94,698) -49.94,750.51 -2139.94,750.51 ccw(c-2139.94,698) -2192.46,698
  region: -2152.43,-660.03 -2152.43,659.97 ccw(c-2154.94,659.97) -2154.94,662.48 -2187.43,662.48 -2187.43,698 ccw(c-2189.94,698) -2192.46,698 -2192.46,-698.07 ccw(c-2139.94,-698.07) -2139.94,-750.58 -49.94,-750.58 ccw(c-49.94,-698.07) 2.57,-698.07 2.57,698 ccw(c0.06,698) -2.46,698 -2.46,-657.52 -39.94,-657.52 ccw(c-39.94,-660.03) -42.46,-660.03 cw(c-89.94,-660.03) -89.94,-707.52 -2104.94,-707.52 cw(c-2104.94,-660.03)
Mechanical 1:
  circle w5: c-674.06,640 r78.74
  circle w5: c-674.06,-640 r78.74
  circle w5: c-2085,-640 r78.74
  circle w5: c-2085,640 r78.74
  lines w5: -2190,-698.03 ccw(c-2140,-698.03) -2140,-748.03 -50,-748.03 ccw(c-50,-698.03) 0,-698.03 0,698.03 ccw(c-50,698.03) -50,748.03 -260,748.03 -2140,748.03 ccw(c-2140,698.03) -2190,698.03 -2190,-698.03